# EAGLE board Mk4 Final Panel 8up 2x4 (EAGLE 9.0.1), part 3 of 23
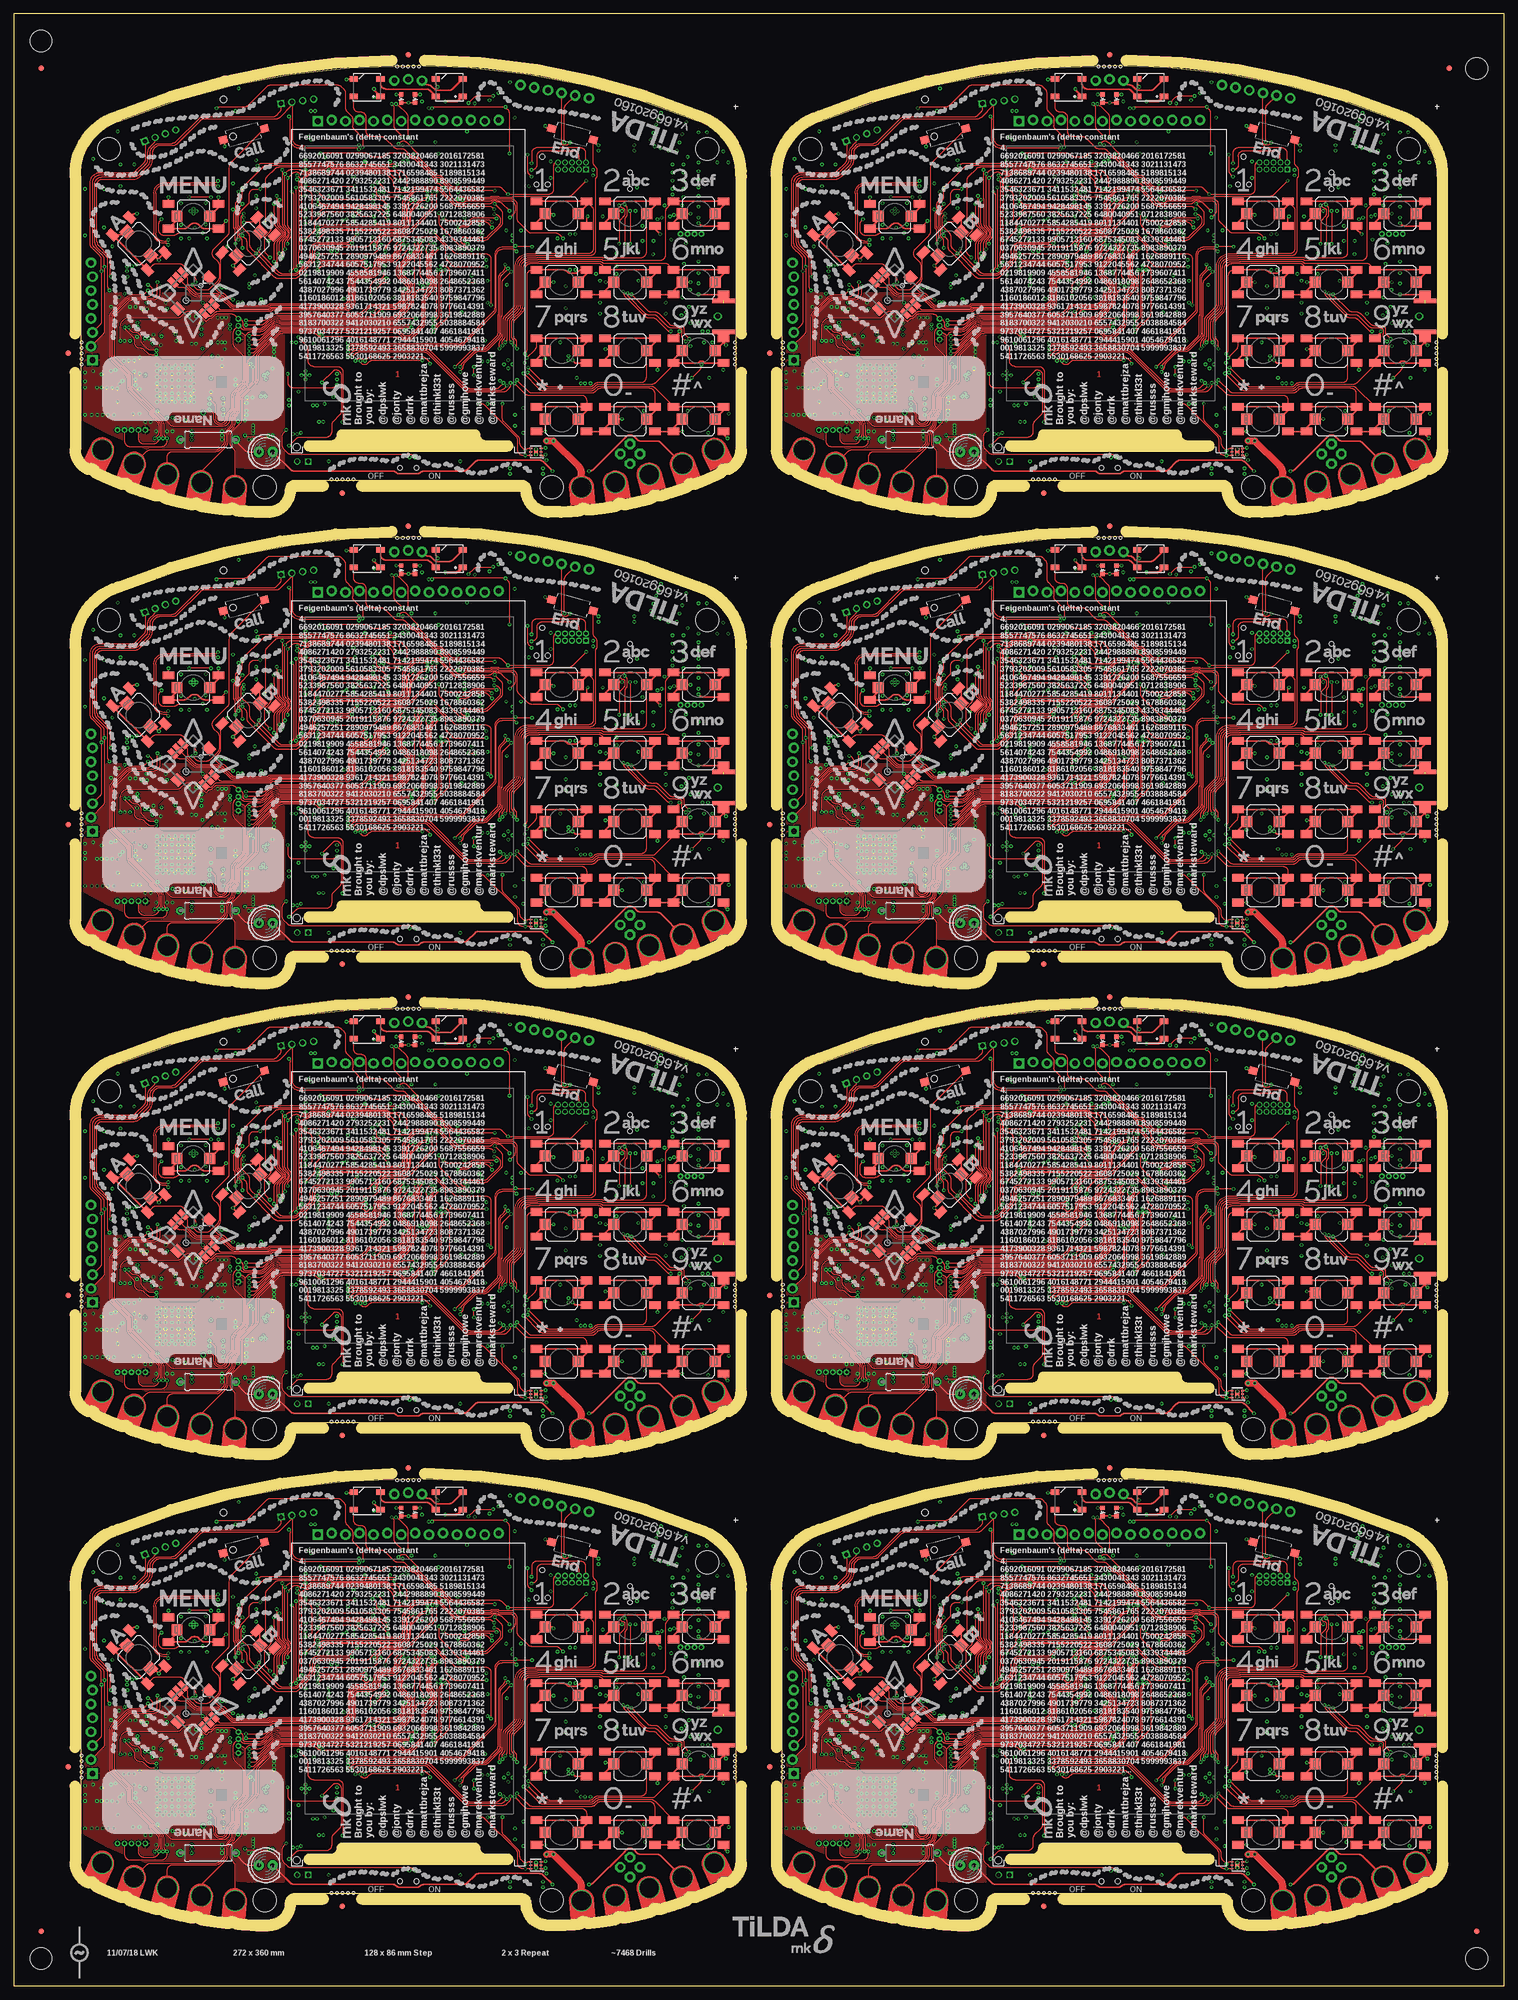
[diagram p0: board, top side]
## Placement (x,y rotation side) (continued)
LED48  0603 RED  [LED-0603-CORRECT]  183.75,298.75 180 bottom
LOGO1  LOGO_SIM  [SIM_ICON]  111,32 0 bottom
LOGO2  LOGO_MICROPYTHON-6MM  [LOGO_MICROPYTHON_6MM]  90.75,57.7 0 bottom
LOGO3  LOGO_HCD-4MM  [LOGO_HDC_4MM]  88.4,69.4 0 bottom
LOGO4  LOGO_TI-4MM  [LOGO_TI_BY_4MM]  94.5,74 0 bottom
LOGO5  EMFLOGO-2018-6MM  [EMFLOGO-2018-6MM]  34.5,54 90 bottom
LOGO6  LOGO_SIM  [SIM_ICON]  239,32 0 bottom
LOGO7  LOGO_MICROPYTHON-6MM  [LOGO_MICROPYTHON_6MM]  218.75,57.7 0 bottom
LOGO8  LOGO_HCD-4MM  [LOGO_HDC_4MM]  216.4,69.4 0 bottom
LOGO9  LOGO_TI-4MM  [LOGO_TI_BY_4MM]  222.5,74 0 bottom
LOGO10  EMFLOGO-2018-6MM  [EMFLOGO-2018-6MM]  162.5,54 90 bottom
LOGO11  LOGO_SIM  [SIM_ICON]  111,118 0 bottom
LOGO12  LOGO_MICROPYTHON-6MM  [LOGO_MICROPYTHON_6MM]  90.75,143.7 0 bottom
LOGO13  LOGO_HCD-4MM  [LOGO_HDC_4MM]  88.4,155.4 0 bottom
LOGO14  LOGO_TI-4MM  [LOGO_TI_BY_4MM]  94.5,160 0 bottom
LOGO15  EMFLOGO-2018-6MM  [EMFLOGO-2018-6MM]  34.5,140 90 bottom
LOGO16  LOGO_SIM  [SIM_ICON]  239,118 0 bottom
LOGO17  LOGO_MICROPYTHON-6MM  [LOGO_MICROPYTHON_6MM]  218.75,143.7 0 bottom
LOGO18  LOGO_HCD-4MM  [LOGO_HDC_4MM]  216.4,155.4 0 bottom
LOGO19  LOGO_TI-4MM  [LOGO_TI_BY_4MM]  222.5,160 0 bottom
LOGO20  EMFLOGO-2018-6MM  [EMFLOGO-2018-6MM]  162.5,140 90 bottom
LOGO21  LOGO_SIM  [SIM_ICON]  111,204 0 bottom
LOGO22  LOGO_MICROPYTHON-6MM  [LOGO_MICROPYTHON_6MM]  90.75,229.7 0 bottom
LOGO23  LOGO_HCD-4MM  [LOGO_HDC_4MM]  88.4,241.4 0 bottom
LOGO24  LOGO_TI-4MM  [LOGO_TI_BY_4MM]  94.5,246 0 bottom
LOGO25  EMFLOGO-2018-6MM  [EMFLOGO-2018-6MM]  34.5,226 90 bottom
LOGO26  LOGO_SIM  [SIM_ICON]  239,204 0 bottom
LOGO27  LOGO_MICROPYTHON-6MM  [LOGO_MICROPYTHON_6MM]  218.75,229.7 0 bottom
LOGO28  LOGO_HCD-4MM  [LOGO_HDC_4MM]  216.4,241.4 0 bottom
LOGO29  LOGO_TI-4MM  [LOGO_TI_BY_4MM]  222.5,246 0 bottom
LOGO30  EMFLOGO-2018-6MM  [EMFLOGO-2018-6MM]  162.5,226 90 bottom
LOGO31  LOGO_SIM  [SIM_ICON]  111,290 0 bottom
LOGO32  LOGO_MICROPYTHON-6MM  [LOGO_MICROPYTHON_6MM]  90.75,315.7 0 bottom
LOGO33  LOGO_HCD-4MM  [LOGO_HDC_4MM]  88.4,327.4 0 bottom
LOGO34  LOGO_TI-4MM  [LOGO_TI_BY_4MM]  94.5,332 0 bottom
LOGO35  EMFLOGO-2018-6MM  [EMFLOGO-2018-6MM]  34.5,312 90 bottom
LOGO36  LOGO_SIM  [SIM_ICON]  239,290 0 bottom
LOGO37  LOGO_MICROPYTHON-6MM  [LOGO_MICROPYTHON_6MM]  218.75,315.7 0 bottom
LOGO38  LOGO_HCD-4MM  [LOGO_HDC_4MM]  216.4,327.4 0 bottom
LOGO39  LOGO_TI-4MM  [LOGO_TI_BY_4MM]  222.5,332 0 bottom
LOGO40  EMFLOGO-2018-6MM  [EMFLOGO-2018-6MM]  162.5,312 90 bottom
PCB  TiLDA Mk4 PCB  [TILDA_MK4_OUTLINE_TALL]  72,12 0 top
PCB1  TiLDA Mk4 PCB  [TILDA_MK4_OUTLINE_TALL]  200,12 0 top
PCB2  TiLDA Mk4 PCB  [TILDA_MK4_OUTLINE_TALL]  72,98 0 top
PCB3  TiLDA Mk4 PCB  [TILDA_MK4_OUTLINE_TALL]  200,98 0 top
PCB4  TiLDA Mk4 PCB  [TILDA_MK4_OUTLINE_TALL]  72,184 0 top
PCB5  TiLDA Mk4 PCB  [TILDA_MK4_OUTLINE_TALL]  200,184 0 top
PCB6  TiLDA Mk4 PCB  [TILDA_MK4_OUTLINE_TALL]  72,270 0 top
PCB7  TiLDA Mk4 PCB  [TILDA_MK4_OUTLINE_TALL]  200,270 0 top
Q1  2N7002PW  [SC70-3-R]  102.5,41.5 90 bottom
Q2  2N7002PW  [SC70-3-R]  118,25.75 90 bottom
Q3  CSD25402Q3A  [Q3A]  51.75,27.75 0 bottom
Q4  CSD13202Q2  [Q2]  214.5,50.75 270 bottom
Q5  2N7002PW  [SC70-3-R]  246,25.75 90 bottom
Q6  2N7002PW  [SC70-3-R]  230.5,41.5 90 bottom
Q7  CSD25402Q3A  [Q3A]  179.75,27.75 0 bottom
Q8  CSD13202Q2  [Q2]  86.5,50.75 270 bottom
Q9  CSD13202Q2  [Q2]  86.5,136.75 270 bottom
Q10  2N7002PW  [SC70-3-R]  118,111.75 90 bottom
Q11  2N7002PW  [SC70-3-R]  102.5,127.5 90 bottom
Q12  CSD25402Q3A  [Q3A]  51.75,113.75 0 bottom
Q13  CSD13202Q2  [Q2]  214.5,136.75 270 bottom
Q14  2N7002PW  [SC70-3-R]  246,111.75 90 bottom
Q15  2N7002PW  [SC70-3-R]  230.5,127.5 90 bottom
Q16  CSD25402Q3A  [Q3A]  179.75,113.75 0 bottom
Q17  CSD13202Q2  [Q2]  86.5,222.75 270 bottom
Q18  2N7002PW  [SC70-3-R]  118,197.75 90 bottom
Q19  2N7002PW  [SC70-3-R]  102.5,213.5 90 bottom
Q20  CSD25402Q3A  [Q3A]  51.75,199.75 0 bottom
Q21  CSD13202Q2  [Q2]  214.5,222.75 270 bottom
Q22  2N7002PW  [SC70-3-R]  246,197.75 90 bottom
Q23  2N7002PW  [SC70-3-R]  230.5,213.5 90 bottom
Q24  CSD25402Q3A  [Q3A]  179.75,199.75 0 bottom
Q25  CSD13202Q2  [Q2]  86.5,308.75 270 bottom
Q26  2N7002PW  [SC70-3-R]  118,283.75 90 bottom
Q27  2N7002PW  [SC70-3-R]  102.5,299.5 90 bottom
Q28  CSD25402Q3A  [Q3A]  51.75,285.75 0 bottom
Q29  CSD13202Q2  [Q2]  214.5,308.75 270 bottom
Q30  2N7002PW  [SC70-3-R]  246,283.75 90 bottom
Q31  2N7002PW  [SC70-3-R]  230.5,299.5 90 bottom
Q32  CSD25402Q3A  [Q3A]  179.75,285.75 0 bottom
R1  0402/1K/5%  [R0402-SMALLER]  56.5,79.5 270 bottom
R2  0402/1K/5%  [R0402-SMALLER]  57.5,79.5 270 bottom
R3  0402/4K87/5%  [R0402-SMALLER]  62.25,69.25 0 bottom
R4  0402/10K/5%  [R0402-SMALLER]  70.5,77.25 180 bottom
R5  0402/1M/5%  [R0402-SMALLER]  62.75,71.75 90 bottom
R6  0402/2K/5%  [R0402-SMALLER]  75.75,74.95 90 bottom
R7  0402/1M/5%  [R0402-SMALLER]  89.75,90 270 bottom
R8  0402/100R/5%  [R0402-SMALLER]  90.25,86.5 180 bottom
R9  0402/10K/5%  [R0402-SMALLER]  79.5,56.25 270 bottom
R10  0402/10K/5%  [R0402-SMALLER]  90,53.75 90 bottom
R11  [0309/10]  35.5,24.25 180 top
R12  0402/2K/5%  [R0402-SMALLER]  73.27,86.5 270 bottom
R13  0402/10K/5%  [R0402-SMALLER]  49.75,27.25 90 bottom
R14  0402/4K7/5%  [R0402-SMALLER]  70.73,86.5 270 bottom
R15  0402/10K/5%  [R0402-SMALLER]  57.75,35.25 0 bottom
R16  0402/10K/5%  [R0402-SMALLER]  57.75,34.25 180 bottom
R17  0402/2K/5%  [R0402-SMALLER]  57.75,36.25 180 bottom
R18  0402/10K/5%  [R0402-SMALLER]  53.25,42.5 180 bottom
R19  0402/10K/5%  [R0402-SMALLER]  53.25,41.5 180 bottom
R20  0402/10K/5%  [R0402-SMALLER]  53.75,40 90 bottom
R21  0402/4K7/5%  [R0402-SMALLER]  58.05,60.25 90 bottom
R22  0402/4K7/5%  [R0402-SMALLER]  59.05,60.25 90 bottom
R23  0402/4K7/5%  [R0402-SMALLER]  84.25,61 180 bottom
R24  0402/4K7/5%  [R0402-SMALLER]  84.25,59.75 180 bottom
R25  0402/100K/5%  [R0402-SMALLER]  37,28.75 180 bottom
R26  0402/51R/5%  [R0402-SMALLER]  109.5,64.5 90 bottom
R27  0402/51R/5%  [R0402-SMALLER]  111.5,64.5 90 bottom
R28  0402/51R/5%  [R0402-SMALLER]  112.5,64.5 90 bottom
R29  0402/4K7/5%  [R0402-SMALLER]  118.5,42.75 180 bottom
R30  0402/100K/5%  [R0402-SMALLER]  100.5,41.5 90 bottom
R31  0402/1K/5%  [R0402-SMALLER]  102,53.25 180 bottom
R32  0402/1K/5%  [R0402-SMALLER]  102,54.25 180 bottom
R33  0402/1K/5%  [R0402-SMALLER]  102,51.25 180 bottom
R34  0402/1K/5%  [R0402-SMALLER]  102,50.25 180 bottom
R35  0402/1K/5%  [R0402-SMALLER]  102,49.25 180 bottom
R36  0402/1K/5%  [R0402-SMALLER]  102,45.25 180 bottom
R37  0402/1K/5%  [R0402-SMALLER]  102,47.25 180 bottom
R38  0402/5K6/5%  [R0402-SMALLER]  102,46.25 0 bottom
R39  0402/5K6/5%  [R0402-SMALLER]  102,48.25 0 bottom
R40  0402/5K6/5%  [R0402-SMALLER]  102,52.25 0 bottom
R41  0402/1K/5%  [R0402-SMALLER]  102,44.25 180 bottom
R42  0402/1K/5%  [R0402-SMALLER]  102,43.25 180 bottom
R43  0402/10K/5%  [R0402-SMALLER]  92.75,59 90 bottom
R44  0402/12R/5%  [R0402-SMALLER]  81.5,51 270 bottom
R45  0402/10K/5%  [R0402-SMALLER]  93.75,59 90 bottom
R46  0402/10K/5%  [R0402-SMALLER]  94.25,61.5 180 bottom
R47  0402/12R/5%  [R0402-SMALLER]  84.5,51 270 bottom
R48  0402/12R/5%  [R0402-SMALLER]  83.5,51 270 bottom
R49  0402/12R/5%  [R0402-SMALLER]  82.5,51 270 bottom
R50  0402/22K/5%  [R0402-SMALLER]  92.25,61.5 0 bottom
R51  0402/22K/5%  [R0402-SMALLER]  92.25,60.5 0 bottom
R52  0402/14K7/5%  [R0402-SMALLER]  92.5,70.75 180 bottom
R53  0402/7K87/5%  [R0402-SMALLER]  90.5,70.75 0 bottom
R54  0402/10K/5%  [R0402-SMALLER]  97.5,66.5 270 bottom
R55  0402/10K/5%  [R0402-SMALLER]  99.75,61.75 180 bottom
R56  0402/10K/5%  [R0402-SMALLER]  106.25,71.5 180 bottom
R57  0402/150K/1%  [R0402-SMALLER]  33.95,71.45 0 bottom
R58  0402/150K/1%  [R0402-SMALLER]  33.95,70.45 0 bottom
R59  0402/10K/5%  [R0402-SMALLER]  116,25.75 90 bottom
R60  0402/732K/5%  [R0402-SMALLER]  40.95,26.35 270 bottom
R61  0402/162K/5%  [R0402-SMALLER]  41.95,26.35 90 bottom
R62  0402/10K/5%  [R0402-SMALLER]  24,28.75 270 bottom
R63  0402/100K/5%  [R0402-SMALLER]  21.25,47.2 90 bottom
R64  0402/100K/5%  [R0402-SMALLER]  22.25,47.2 90 bottom
R65  0402/100K/5%  [R0402-SMALLER]  25,28.75 270 bottom
R66  0402/10K/5%  [R0402-SMALLER]  20.5,52.25 90 bottom
R67  0402/100K/5%  [R0402-SMALLER]  23,49.25 180 bottom
R68  0402/100K/5%  [R0402-SMALLER]  37,31.75 180 bottom
R69  0402/100K/5%  [R0402-SMALLER]  37,29.75 180 bottom
R70  0402/100K/5%  [R0402-SMALLER]  38.75,38.5 90 bottom
R71  0402/100K/5%  [R0402-SMALLER]  30.5,28.25 270 bottom
R72  0402/100K/5%  [R0402-SMALLER]  26,27 270 bottom
R73  0402/100K/5%  [R0402-SMALLER]  21.25,41 90 bottom
R74  0402/10K/5%  [R0402-SMALLER]  30.75,68.5 0 bottom
R75  0402/0R/5%  [R0402-SMALLER]  33,73.5 180 bottom
R76  0402/10K/5%  [R0402-SMALLER]  86,39.75 90 bottom
R77  0402/150K/1%  [R0402-SMALLER]  33.95,72.4 0 bottom
R78  0402/150K/1%  [R0402-SMALLER]  34,69.5 0 bottom
R79  0402/12R/5%  [R0402-SMALLER]  212.5,51 270 bottom
R80  0402/12R/5%  [R0402-SMALLER]  211.5,51 270 bottom
R81  0402/12R/5%  [R0402-SMALLER]  210.5,51 270 bottom
R82  0402/12R/5%  [R0402-SMALLER]  209.5,51 270 bottom
R83  0402/2K/5%  [R0402-SMALLER]  201.27,86.5 270 bottom
R84  0402/4K7/5%  [R0402-SMALLER]  198.73,86.5 270 bottom
R85  0402/1K/5%  [R0402-SMALLER]  184.5,79.5 270 bottom
R86  0402/1K/5%  [R0402-SMALLER]  185.5,79.5 270 bottom
R87  0402/4K87/5%  [R0402-SMALLER]  190.25,69.25 0 bottom
R88  0402/10K/5%  [R0402-SMALLER]  198.5,77.25 180 bottom
R89  0402/1M/5%  [R0402-SMALLER]  190.75,71.75 90 bottom
R90  0402/2K/5%  [R0402-SMALLER]  203.75,74.95 90 bottom
R91  0402/1M/5%  [R0402-SMALLER]  217.75,90 270 bottom
R92  0402/100R/5%  [R0402-SMALLER]  218.25,86.5 180 bottom
R93  0402/10K/5%  [R0402-SMALLER]  207.5,56.25 270 bottom
R94  0402/10K/5%  [R0402-SMALLER]  218,53.75 90 bottom
R95  [0309/10]  163.5,24.25 180 top
R96  0402/10K/5%  [R0402-SMALLER]  177.75,27.25 90 bottom
R97  0402/10K/5%  [R0402-SMALLER]  185.75,35.25 0 bottom
R98  0402/10K/5%  [R0402-SMALLER]  185.75,34.25 180 bottom
R99  0402/2K/5%  [R0402-SMALLER]  185.75,36.25 180 bottom
R100  0402/10K/5%  [R0402-SMALLER]  181.25,42.5 180 bottom
R101  0402/10K/5%  [R0402-SMALLER]  181.25,41.5 180 bottom
R102  0402/10K/5%  [R0402-SMALLER]  181.75,40 90 bottom
R103  0402/4K7/5%  [R0402-SMALLER]  186.05,60.25 90 bottom
R104  0402/4K7/5%  [R0402-SMALLER]  187.05,60.25 90 bottom
R105  0402/4K7/5%  [R0402-SMALLER]  212.25,61 180 bottom
R106  0402/4K7/5%  [R0402-SMALLER]  212.25,59.75 180 bottom
R107  0402/100K/5%  [R0402-SMALLER]  165,28.75 180 bottom
R108  0402/51R/5%  [R0402-SMALLER]  237.5,64.5 90 bottom
R109  0402/51R/5%  [R0402-SMALLER]  239.5,64.5 90 bottom
R110  0402/51R/5%  [R0402-SMALLER]  240.5,64.5 90 bottom
R111  0402/4K7/5%  [R0402-SMALLER]  246.5,42.75 180 bottom
R112  0402/100K/5%  [R0402-SMALLER]  228.5,41.5 90 bottom
R113  0402/1K/5%  [R0402-SMALLER]  230,53.25 180 bottom
R114  0402/5K6/5%  [R0402-SMALLER]  230,46.25 0 bottom
R115  0402/1K/5%  [R0402-SMALLER]  230,54.25 180 bottom
R116  0402/1K/5%  [R0402-SMALLER]  230,51.25 180 bottom
R117  0402/1K/5%  [R0402-SMALLER]  230,50.25 180 bottom
R118  0402/1K/5%  [R0402-SMALLER]  230,49.25 180 bottom
R119  0402/1K/5%  [R0402-SMALLER]  230,45.25 180 bottom
R120  0402/1K/5%  [R0402-SMALLER]  230,47.25 180 bottom
R121  0402/5K6/5%  [R0402-SMALLER]  230,48.25 0 bottom
R122  0402/5K6/5%  [R0402-SMALLER]  230,52.25 0 bottom
R123  0402/1K/5%  [R0402-SMALLER]  230,44.25 180 bottom
R124  0402/1K/5%  [R0402-SMALLER]  230,43.25 180 bottom
R125  0402/10K/5%  [R0402-SMALLER]  220.75,59 90 bottom
R126  0402/10K/5%  [R0402-SMALLER]  221.75,59 90 bottom
R127  0402/10K/5%  [R0402-SMALLER]  222.25,61.5 180 bottom
R128  0402/22K/5%  [R0402-SMALLER]  220.25,61.5 0 bottom
R129  0402/22K/5%  [R0402-SMALLER]  220.25,60.5 0 bottom
R130  0402/14K7/5%  [R0402-SMALLER]  220.5,70.75 180 bottom
R131  0402/7K87/5%  [R0402-SMALLER]  218.5,70.75 0 bottom
R132  0402/10K/5%  [R0402-SMALLER]  225.5,66.5 270 bottom
R133  0402/10K/5%  [R0402-SMALLER]  227.75,61.75 180 bottom
R134  0402/10K/5%  [R0402-SMALLER]  234.25,71.5 180 bottom
R135  0402/150K/1%  [R0402-SMALLER]  161.95,71.45 0 bottom
R136  0402/150K/1%  [R0402-SMALLER]  161.95,70.45 0 bottom
R137  0402/10K/5%  [R0402-SMALLER]  244,25.75 90 bottom
R138  0402/732K/5%  [R0402-SMALLER]  168.95,26.35 270 bottom
R139  0402/162K/5%  [R0402-SMALLER]  169.95,26.35 90 bottom
R140  0402/10K/5%  [R0402-SMALLER]  152,28.75 270 bottom
R141  0402/100K/5%  [R0402-SMALLER]  149.25,47.2 90 bottom
R142  0402/100K/5%  [R0402-SMALLER]  150.25,47.2 90 bottom
R143  0402/100K/5%  [R0402-SMALLER]  153,28.75 270 bottom
R144  0402/10K/5%  [R0402-SMALLER]  148.5,52.25 90 bottom
R145  0402/100K/5%  [R0402-SMALLER]  151,49.25 180 bottom
R146  0402/100K/5%  [R0402-SMALLER]  165,31.75 180 bottom
R147  0402/100K/5%  [R0402-SMALLER]  165,29.75 180 bottom
R148  0402/100K/5%  [R0402-SMALLER]  166.75,38.5 90 bottom
R149  0402/100K/5%  [R0402-SMALLER]  158.5,28.25 270 bottom
R150  0402/100K/5%  [R0402-SMALLER]  154,27 270 bottom
R151  0402/100K/5%  [R0402-SMALLER]  149.25,41 90 bottom
R152  0402/10K/5%  [R0402-SMALLER]  214,39.75 90 bottom
R153  0402/150K/1%  [R0402-SMALLER]  161.95,72.4 0 bottom
R154  0402/150K/1%  [R0402-SMALLER]  162,69.5 0 bottom
R155  0402/10K/5%  [R0402-SMALLER]  158.75,68.5 0 bottom
R156  0402/0R/5%  [R0402-SMALLER]  161,73.5 180 bottom
R157  0402/12R/5%  [R0402-SMALLER]  84.5,137 270 bottom
R158  0402/12R/5%  [R0402-SMALLER]  83.5,137 270 bottom
R159  0402/12R/5%  [R0402-SMALLER]  82.5,137 270 bottom
R160  0402/12R/5%  [R0402-SMALLER]  81.5,137 270 bottom
R161  0402/2K/5%  [R0402-SMALLER]  73.27,172.5 270 bottom
R162  0402/4K7/5%  [R0402-SMALLER]  70.73,172.5 270 bottom
R163  0402/1K/5%  [R0402-SMALLER]  56.5,165.5 270 bottom
R164  0402/1K/5%  [R0402-SMALLER]  57.5,165.5 270 bottom
R165  0402/4K87/5%  [R0402-SMALLER]  62.25,155.25 0 bottom
R166  0402/10K/5%  [R0402-SMALLER]  70.5,163.25 180 bottom
R167  0402/1M/5%  [R0402-SMALLER]  62.75,157.75 90 bottom
R168  0402/2K/5%  [R0402-SMALLER]  75.75,160.95 90 bottom
R169  0402/1M/5%  [R0402-SMALLER]  89.75,176 270 bottom
R170  0402/100R/5%  [R0402-SMALLER]  90.25,172.5 180 bottom
R171  0402/10K/5%  [R0402-SMALLER]  79.5,142.25 270 bottom
R172  0402/10K/5%  [R0402-SMALLER]  90,139.75 90 bottom
R173  [0309/10]  35.5,110.25 180 top
R174  0402/10K/5%  [R0402-SMALLER]  49.75,113.25 90 bottom
R175  0402/10K/5%  [R0402-SMALLER]  57.75,121.25 0 bottom
R176  0402/10K/5%  [R0402-SMALLER]  57.75,120.25 180 bottom
R177  0402/2K/5%  [R0402-SMALLER]  57.75,122.25 180 bottom
R178  0402/10K/5%  [R0402-SMALLER]  53.25,128.5 180 bottom
R179  0402/10K/5%  [R0402-SMALLER]  53.25,127.5 180 bottom
R180  0402/10K/5%  [R0402-SMALLER]  53.75,126 90 bottom
R181  0402/4K7/5%  [R0402-SMALLER]  58.05,146.25 90 bottom
R182  0402/4K7/5%  [R0402-SMALLER]  59.05,146.25 90 bottom
R183  0402/4K7/5%  [R0402-SMALLER]  84.25,147 180 bottom
R184  0402/4K7/5%  [R0402-SMALLER]  84.25,145.75 180 bottom
R185  0402/100K/5%  [R0402-SMALLER]  37,114.75 180 bottom
R186  0402/51R/5%  [R0402-SMALLER]  109.5,150.5 90 bottom
R187  0402/51R/5%  [R0402-SMALLER]  111.5,150.5 90 bottom
R188  0402/51R/5%  [R0402-SMALLER]  112.5,150.5 90 bottom
R189  0402/4K7/5%  [R0402-SMALLER]  118.5,128.75 180 bottom
R190  0402/100K/5%  [R0402-SMALLER]  100.5,127.5 90 bottom
R191  0402/1K/5%  [R0402-SMALLER]  102,139.25 180 bottom
R192  0402/5K6/5%  [R0402-SMALLER]  102,132.25 0 bottom
R193  0402/1K/5%  [R0402-SMALLER]  102,140.25 180 bottom
R194  0402/1K/5%  [R0402-SMALLER]  102,137.25 180 bottom
R195  0402/1K/5%  [R0402-SMALLER]  102,136.25 180 bottom
R196  0402/1K/5%  [R0402-SMALLER]  102,135.25 180 bottom
R197  0402/1K/5%  [R0402-SMALLER]  102,131.25 180 bottom
R198  0402/1K/5%  [R0402-SMALLER]  102,133.25 180 bottom
R199  0402/5K6/5%  [R0402-SMALLER]  102,134.25 0 bottom
R200  0402/5K6/5%  [R0402-SMALLER]  102,138.25 0 bottom
R201  0402/1K/5%  [R0402-SMALLER]  102,130.25 180 bottom
R202  0402/1K/5%  [R0402-SMALLER]  102,129.25 180 bottom
R203  0402/10K/5%  [R0402-SMALLER]  92.75,145 90 bottom
R204  0402/10K/5%  [R0402-SMALLER]  93.75,145 90 bottom
R205  0402/10K/5%  [R0402-SMALLER]  94.25,147.5 180 bottom
R206  0402/22K/5%  [R0402-SMALLER]  92.25,147.5 0 bottom
R207  0402/22K/5%  [R0402-SMALLER]  92.25,146.5 0 bottom
R208  0402/14K7/5%  [R0402-SMALLER]  92.5,156.75 180 bottom
R209  0402/7K87/5%  [R0402-SMALLER]  90.5,156.75 0 bottom
R210  0402/10K/5%  [R0402-SMALLER]  97.5,152.5 270 bottom
R211  0402/10K/5%  [R0402-SMALLER]  99.75,147.75 180 bottom
R212  0402/10K/5%  [R0402-SMALLER]  106.25,157.5 180 bottom
R213  0402/150K/1%  [R0402-SMALLER]  33.95,157.45 0 bottom
R214  0402/150K/1%  [R0402-SMALLER]  33.95,156.45 0 bottom
R215  0402/10K/5%  [R0402-SMALLER]  116,111.75 90 bottom
R216  0402/732K/5%  [R0402-SMALLER]  40.95,112.35 270 bottom
R217  0402/162K/5%  [R0402-SMALLER]  41.95,112.35 90 bottom
R218  0402/10K/5%  [R0402-SMALLER]  24,114.75 270 bottom
R219  0402/100K/5%  [R0402-SMALLER]  21.25,133.2 90 bottom
R220  0402/100K/5%  [R0402-SMALLER]  22.25,133.2 90 bottom
R221  0402/100K/5%  [R0402-SMALLER]  25,114.75 270 bottom
R222  0402/10K/5%  [R0402-SMALLER]  20.5,138.25 90 bottom
R223  0402/100K/5%  [R0402-SMALLER]  23,135.25 180 bottom
R224  0402/100K/5%  [R0402-SMALLER]  37,117.75 180 bottom
R225  0402/100K/5%  [R0402-SMALLER]  37,115.75 180 bottom
R226  0402/100K/5%  [R0402-SMALLER]  38.75,124.5 90 bottom
R227  0402/100K/5%  [R0402-SMALLER]  30.5,114.25 270 bottom
R228  0402/100K/5%  [R0402-SMALLER]  26,113 270 bottom
R229  0402/100K/5%  [R0402-SMALLER]  21.25,127 90 bottom
R230  0402/10K/5%  [R0402-SMALLER]  86,125.75 90 bottom
R231  0402/150K/1%  [R0402-SMALLER]  33.95,158.4 0 bottom
R232  0402/150K/1%  [R0402-SMALLER]  34,155.5 0 bottom
R233  0402/10K/5%  [R0402-SMALLER]  30.75,154.5 0 bottom
R234  0402/0R/5%  [R0402-SMALLER]  33,159.5 180 bottom
R235  0402/12R/5%  [R0402-SMALLER]  212.5,137 270 bottom
R236  0402/12R/5%  [R0402-SMALLER]  211.5,137 270 bottom
R237  0402/12R/5%  [R0402-SMALLER]  210.5,137 270 bottom
R238  0402/12R/5%  [R0402-SMALLER]  209.5,137 270 bottom
R239  0402/2K/5%  [R0402-SMALLER]  201.27,172.5 270 bottom
R240  0402/4K7/5%  [R0402-SMALLER]  198.73,172.5 270 bottom
R241  0402/1K/5%  [R0402-SMALLER]  184.5,165.5 270 bottom
R242  0402/1K/5%  [R0402-SMALLER]  185.5,165.5 270 bottom
R243  0402/4K87/5%  [R0402-SMALLER]  190.25,155.25 0 bottom
R244  0402/10K/5%  [R0402-SMALLER]  198.5,163.25 180 bottom
R245  0402/1M/5%  [R0402-SMALLER]  190.75,157.75 90 bottom
R246  0402/2K/5%  [R0402-SMALLER]  203.75,160.95 90 bottom
R247  0402/1M/5%  [R0402-SMALLER]  217.75,176 270 bottom
R248  0402/100R/5%  [R0402-SMALLER]  218.25,172.5 180 bottom
R249  0402/10K/5%  [R0402-SMALLER]  207.5,142.25 270 bottom
R250  0402/10K/5%  [R0402-SMALLER]  218,139.75 90 bottom
R251  [0309/10]  163.5,110.25 180 top
R252  0402/10K/5%  [R0402-SMALLER]  177.75,113.25 90 bottom
R253  0402/10K/5%  [R0402-SMALLER]  185.75,121.25 0 bottom
R254  0402/10K/5%  [R0402-SMALLER]  185.75,120.25 180 bottom
R255  0402/2K/5%  [R0402-SMALLER]  185.75,122.25 180 bottom
R256  0402/10K/5%  [R0402-SMALLER]  181.25,128.5 180 bottom
R257  0402/10K/5%  [R0402-SMALLER]  181.25,127.5 180 bottom
R258  0402/10K/5%  [R0402-SMALLER]  181.75,126 90 bottom
R259  0402/4K7/5%  [R0402-SMALLER]  186.05,146.25 90 bottom
R260  0402/4K7/5%  [R0402-SMALLER]  187.05,146.25 90 bottom
R261  0402/4K7/5%  [R0402-SMALLER]  212.25,147 180 bottom
R262  0402/4K7/5%  [R0402-SMALLER]  212.25,145.75 180 bottom
R263  0402/100K/5%  [R0402-SMALLER]  165,114.75 180 bottom
R264  0402/51R/5%  [R0402-SMALLER]  237.5,150.5 90 bottom
R265  0402/51R/5%  [R0402-SMALLER]  239.5,150.5 90 bottom
R266  0402/51R/5%  [R0402-SMALLER]  240.5,150.5 90 bottom
R267  0402/4K7/5%  [R0402-SMALLER]  246.5,128.75 180 bottom
R268  0402/100K/5%  [R0402-SMALLER]  228.5,127.5 90 bottom
R269  0402/1K/5%  [R0402-SMALLER]  230,139.25 180 bottom
R270  0402/5K6/5%  [R0402-SMALLER]  230,132.25 0 bottom
R271  0402/1K/5%  [R0402-SMALLER]  230,140.25 180 bottom
R272  0402/1K/5%  [R0402-SMALLER]  230,137.25 180 bottom
R273  0402/1K/5%  [R0402-SMALLER]  230,136.25 180 bottom
R274  0402/1K/5%  [R0402-SMALLER]  230,135.25 180 bottom
R275  0402/1K/5%  [R0402-SMALLER]  230,131.25 180 bottom
R276  0402/1K/5%  [R0402-SMALLER]  230,133.25 180 bottom
R277  0402/5K6/5%  [R0402-SMALLER]  230,134.25 0 bottom
R278  0402/5K6/5%  [R0402-SMALLER]  230,138.25 0 bottom
R279  0402/1K/5%  [R0402-SMALLER]  230,130.25 180 bottom
R280  0402/1K/5%  [R0402-SMALLER]  230,129.25 180 bottom
R281  0402/10K/5%  [R0402-SMALLER]  220.75,145 90 bottom
R282  0402/10K/5%  [R0402-SMALLER]  221.75,145 90 bottom
R283  0402/10K/5%  [R0402-SMALLER]  222.25,147.5 180 bottom
R284  0402/22K/5%  [R0402-SMALLER]  220.25,147.5 0 bottom
R285  0402/22K/5%  [R0402-SMALLER]  220.25,146.5 0 bottom
R286  0402/14K7/5%  [R0402-SMALLER]  220.5,156.75 180 bottom
R287  0402/7K87/5%  [R0402-SMALLER]  218.5,156.75 0 bottom
R288  0402/10K/5%  [R0402-SMALLER]  225.5,152.5 270 bottom
R289  0402/10K/5%  [R0402-SMALLER]  227.75,147.75 180 bottom
R290  0402/10K/5%  [R0402-SMALLER]  234.25,157.5 180 bottom
R291  0402/150K/1%  [R0402-SMALLER]  161.95,157.45 0 bottom
R292  0402/150K/1%  [R0402-SMALLER]  161.95,156.45 0 bottom
R293  0402/10K/5%  [R0402-SMALLER]  244,111.75 90 bottom
R294  0402/732K/5%  [R0402-SMALLER]  168.95,112.35 270 bottom
R295  0402/162K/5%  [R0402-SMALLER]  169.95,112.35 90 bottom
R296  0402/10K/5%  [R0402-SMALLER]  152,114.75 270 bottom
R297  0402/100K/5%  [R0402-SMALLER]  149.25,133.2 90 bottom
R298  0402/100K/5%  [R0402-SMALLER]  150.25,133.2 90 bottom
R299  0402/100K/5%  [R0402-SMALLER]  153,114.75 270 bottom
R300  0402/10K/5%  [R0402-SMALLER]  148.5,138.25 90 bottom
R301  0402/100K/5%  [R0402-SMALLER]  151,135.25 180 bottom
R302  0402/100K/5%  [R0402-SMALLER]  165,117.75 180 bottom
R303  0402/100K/5%  [R0402-SMALLER]  165,115.75 180 bottom
R304  0402/100K/5%  [R0402-SMALLER]  166.75,124.5 90 bottom
R305  0402/100K/5%  [R0402-SMALLER]  158.5,114.25 270 bottom
R306  0402/100K/5%  [R0402-SMALLER]  154,113 270 bottom
R307  0402/100K/5%  [R0402-SMALLER]  149.25,127 90 bottom
R308  0402/10K/5%  [R0402-SMALLER]  214,125.75 90 bottom
R309  0402/150K/1%  [R0402-SMALLER]  161.95,158.4 0 bottom
R310  0402/150K/1%  [R0402-SMALLER]  162,155.5 0 bottom
R311  0402/10K/5%  [R0402-SMALLER]  158.75,154.5 0 bottom
R312  0402/0R/5%  [R0402-SMALLER]  161,159.5 180 bottom
R313  0402/12R/5%  [R0402-SMALLER]  84.5,223 270 bottom
R314  0402/12R/5%  [R0402-SMALLER]  83.5,223 270 bottom
R315  0402/12R/5%  [R0402-SMALLER]  82.5,223 270 bottom
R316  0402/12R/5%  [R0402-SMALLER]  81.5,223 270 bottom
R317  0402/2K/5%  [R0402-SMALLER]  73.27,258.5 270 bottom
R318  0402/4K7/5%  [R0402-SMALLER]  70.73,258.5 270 bottom
R319  0402/1K/5%  [R0402-SMALLER]  56.5,251.5 270 bottom
R320  0402/1K/5%  [R0402-SMALLER]  57.5,251.5 270 bottom
R321  0402/4K87/5%  [R0402-SMALLER]  62.25,241.25 0 bottom
R322  0402/10K/5%  [R0402-SMALLER]  70.5,249.25 180 bottom
R323  0402/1M/5%  [R0402-SMALLER]  62.75,243.75 90 bottom
R324  0402/2K/5%  [R0402-SMALLER]  75.75,246.95 90 bottom
R325  0402/1M/5%  [R0402-SMALLER]  89.75,262 270 bottom
R326  0402/100R/5%  [R0402-SMALLER]  90.25,258.5 180 bottom
R327  0402/10K/5%  [R0402-SMALLER]  79.5,228.25 270 bottom
R328  0402/10K/5%  [R0402-SMALLER]  90,225.75 90 bottom
R329  [0309/10]  35.5,196.25 180 top
R330  0402/10K/5%  [R0402-SMALLER]  49.75,199.25 90 bottom
R331  0402/10K/5%  [R0402-SMALLER]  57.75,207.25 0 bottom
R332  0402/10K/5%  [R0402-SMALLER]  57.75,206.25 180 bottom
R333  0402/2K/5%  [R0402-SMALLER]  57.75,208.25 180 bottom
R334  0402/10K/5%  [R0402-SMALLER]  53.25,214.5 180 bottom
R335  0402/10K/5%  [R0402-SMALLER]  53.25,213.5 180 bottom
R336  0402/10K/5%  [R0402-SMALLER]  53.75,212 90 bottom
R337  0402/4K7/5%  [R0402-SMALLER]  58.05,232.25 90 bottom
R338  0402/4K7/5%  [R0402-SMALLER]  59.05,232.25 90 bottom
R339  0402/4K7/5%  [R0402-SMALLER]  84.25,233 180 bottom
R340  0402/4K7/5%  [R0402-SMALLER]  84.25,231.75 180 bottom
R341  0402/100K/5%  [R0402-SMALLER]  37,200.75 180 bottom
R342  0402/51R/5%  [R0402-SMALLER]  109.5,236.5 90 bottom
R343  0402/51R/5%  [R0402-SMALLER]  111.5,236.5 90 bottom
R344  0402/51R/5%  [R0402-SMALLER]  112.5,236.5 90 bottom
R345  0402/4K7/5%  [R0402-SMALLER]  118.5,214.75 180 bottom
R346  0402/100K/5%  [R0402-SMALLER]  100.5,213.5 90 bottom
R347  0402/1K/5%  [R0402-SMALLER]  102,225.25 180 bottom
R348  0402/5K6/5%  [R0402-SMALLER]  102,218.25 0 bottom
R349  0402/1K/5%  [R0402-SMALLER]  102,226.25 180 bottom
R350  0402/1K/5%  [R0402-SMALLER]  102,223.25 180 bottom
R351  0402/1K/5%  [R0402-SMALLER]  102,222.25 180 bottom
R352  0402/1K/5%  [R0402-SMALLER]  102,221.25 180 bottom
R353  0402/1K/5%  [R0402-SMALLER]  102,217.25 180 bottom
R354  0402/1K/5%  [R0402-SMALLER]  102,219.25 180 bottom
R355  0402/5K6/5%  [R0402-SMALLER]  102,220.25 0 bottom
R356  0402/5K6/5%  [R0402-SMALLER]  102,224.25 0 bottom